# Allegro board 1010260-900-0012_PCB_Rev-a.brd (continued)
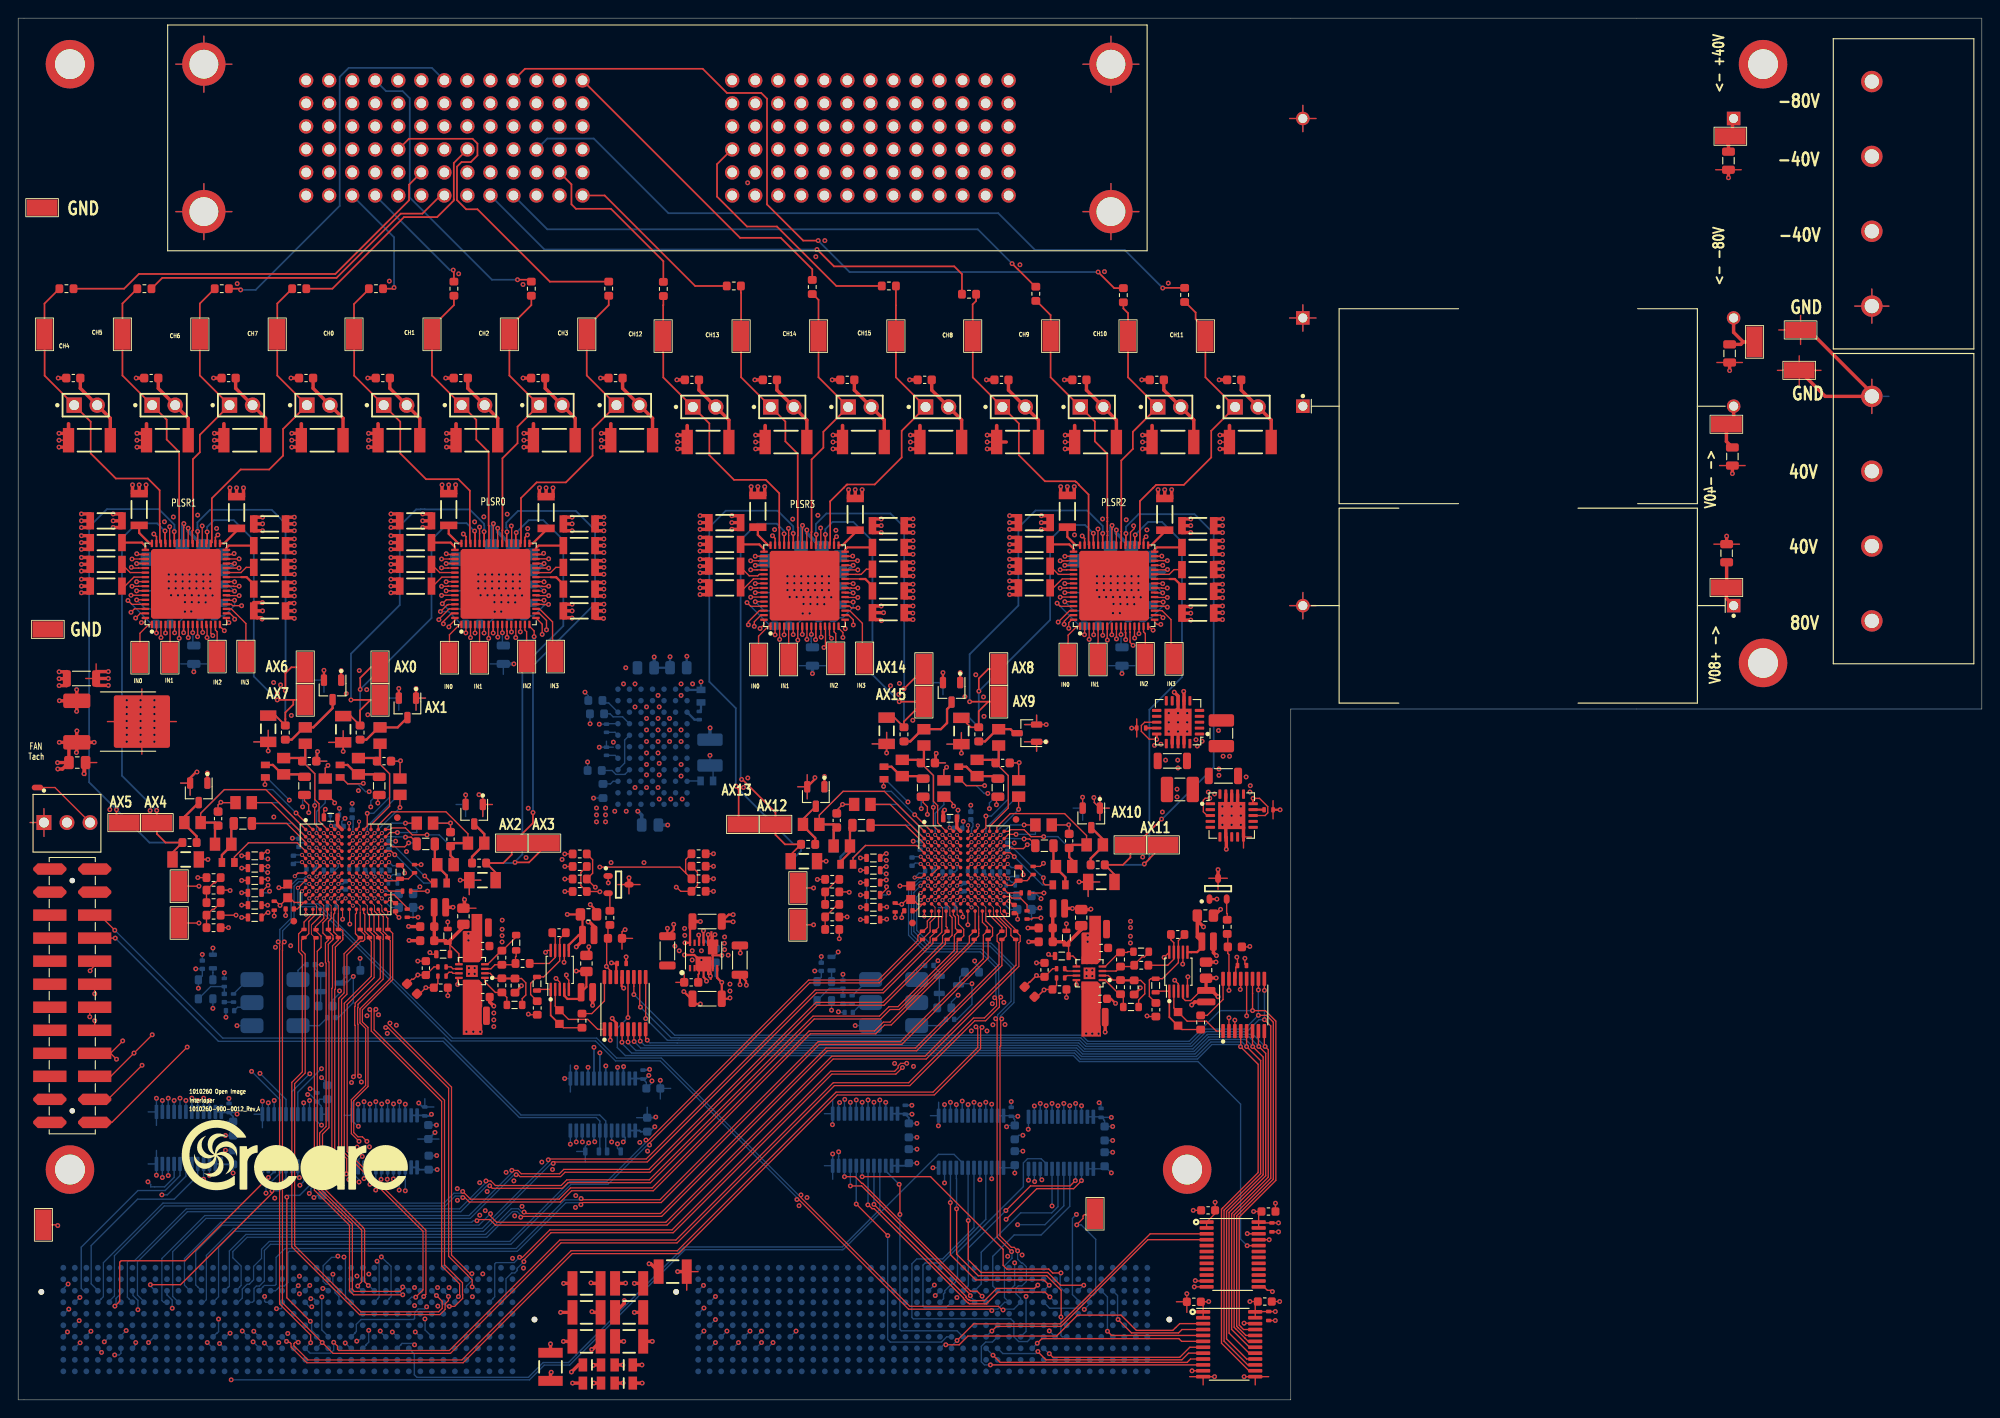
[diagram p0: board, top side]
## Routing (per net, layer and track width the routed paths; a pad name or vN(x,y) marks a point on that pad's centre or on a via; arc(x,y) is an arc through that point) (continued)
AFE0_CSN: length 130.1
  TOP w0.152: R142.2 112.71,58.84 v1(113.06,59.18) ; v1(13.66,36.9) 9.91,33.15 J1.22
  L8 - SIG4 w0.152: v1(113.06,59.18) 114.38,57.86 114.38,44.17 103.91,33.71 56.82,33.71 53.52,37.01 13.77,37.01 v1(13.66,36.9)
AFE0_DATA0N: length 50.1
  TOP w0.14: v1(37.59,28.52) 36.74,29.36 36.74,33.1 38.32,34.68 38.32,40.96 37.69,41.58 37.69,43.13 41.03,46.47 41.03,50.66 40.89,50.8 40.86,50.8 40.77,50.89 R1.2 40.77,51.16 40.26,51.66 40.26,53.31 39.83,53.75 39.83,53.99 U10.M11
  L3 - SIG1 w0.119: v1(37.59,28.52) 37.96,28.15 37.96,27.93 36.86,26.84 36.86,16.89 36.52,16.55 36.02,16.55 35.32,15.85 v1(35.26,15.85)
  BOTTOM w0.14: v1(35.26,15.85) 35.13,15.72 34.57,15.72 33.63,14.78 33.63,13.08 33.96,12.75 34.24,12.75 34.94,12.05 34.94,11.82 35.38,11.38 35.38,10.84 J3.G16
AFE0_DATA0P: length 49.6
  TOP w0.102: 40.61,53.26 40.61,53.39 40.13,53.87 40.13,53.92 40.11,53.95 40.11,54.51 U10.L11
  TOP w0.14: 40.61,53.26 40.77,53.11 R1.1 40.87,51.89 41.3,51.45 41.3,46.35 37.96,43.01 37.96,41.69 38.58,41.07 38.58,34.57 37.01,32.99 37.01,29.47 37.47,29.01 37.96,29.01 v1(38.46,28.52)
  L3 - SIG1 w0.119: v1(38.46,28.52) 38.2,28.26 38.2,27.83 37.11,26.73 37.11,16.79 36.62,16.3 36.47,16.3 v1(35.92,15.76)
  BOTTOM w0.14: J3.G15 36.35,11.15 36.2,11.15 36.09,11.25 36.09,15.59 v1(35.92,15.76)
AFE0_DATA1N: length 47.8
  TOP w0.14: v1(36.97,35.64) 36.97,35.64 37.16,35.83 37.16,41.29 37.11,41.34 37.11,43.37 37.16,43.41 37.16,43.76 39.93,46.54 39.93,50.69 39.75,50.87 R8.2 39.75,51.16 39.24,51.66 39.24,53.41 38.96,53.69 38.96,54.05 U10.M10
  L8 - SIG4 w0.119: v1(39.58,15.29) 39.22,15.65 37.44,15.65 36.86,16.23 36.86,17.52 36.84,17.54 36.84,17.67 36.86,17.68 36.86,24.36 36.71,24.5 36.71,33.73 37.14,34.17 37.14,35.47 v1(36.97,35.64)
  BOTTOM w0.14: v1(39.58,15.29) 39.8,15.07 39.8,11.32 39.66,11.18 39.66,11.15 39.66,11.15 J3.G13
AFE0_DATA1P: length 49.5
  TOP w0.102: 39.29,53.95 39.29,54.52 U10.L10
  TOP w0.14: v1(37.64,35.71) 37.48,35.88 37.48,41.42 37.43,41.47 37.43,43.24 37.48,43.28 37.48,43.63 40.25,46.41 40.25,50.8 40.26,50.81 40.26,51.28 39.78,51.77 39.78,51.86 R8.1 39.75,53.44 39.29,53.9 39.29,53.95
  L8 - SIG4 w0.119: v1(37.64,35.71) 37.46,35.53 37.46,34.03 37.03,33.6 37.03,24.64 37.18,24.49 37.18,17.68 37.19,17.67 37.19,17.54 37.18,17.52 37.18,16.37 37.57,15.97 39.85,15.97 v1(40.05,15.77)
  BOTTOM w0.14: J3.G12 40.93,11.15 40.93,11.15 40.93,11.18 41.12,11.37 41.12,14.73 40.74,15.11 40.71,15.11 v1(40.05,15.77)
AFE0_DATA2N: length 49.5
  TOP w0.14: v1(43.84,11.33) 44.65,12.13 44.65,18.59 35.97,27.27 35.97,43.74 38.94,46.71 38.94,50.58 38.73,50.78 R13.2 38.73,51.16 38.23,51.66 38.23,53.56 38.11,53.68 U10.M9
  BOTTOM w0.14: v1(43.84,11.33) 43.38,11.33 43.06,11 43.06,10.79 43.08,10.77 J3.G10
AFE0_DATA2P: length 49.7
  TOP w0.102: 38.51,53.72 38.51,53.73 38.51,54.51 U10.L9
  TOP w0.14: v1(44.72,11.4) 44.96,11.64 44.96,18.72 36.28,27.4 36.28,43.61 39.25,46.58 39.25,51.19 39.06,51.38 38.73,51.71 R13.1 38.73,53.5 38.51,53.72
  BOTTOM w0.14: v1(44.72,11.4) 44.68,11.36 44.68,11.33 44.34,10.99 44.34,10.79 44.35,10.77 J3.G9
AFE0_DATA3N: length 46.5
  TOP w0.14: U10.M8 37.31,53.68 37.19,53.57 37.19,51.43 37.29,51.33 37.29,51.31 37.62,50.98 R18.2 35.94,49.21 35.94,44.88 35.35,44.29 35.35,27.05 35.92,26.48 35.92,25.3 35.73,25.11 35.73,25.11 35.6,24.98 v1(35.6,24.61)
  L3 - SIG1 w0.119: v1(30.89,12.6) 30.89,12.62 31.24,12.62 31.36,12.74 31.36,13.26 36.08,17.98 36.08,23.79 35.6,24.27 v1(35.6,24.61)
  BOTTOM w0.14: v1(30.89,12.6) 30.38,12.1 30.38,12.04 J3.H20
AFE0_DATA3P: length 47.4
  TOP w0.102: U10.L8 37.72,54.5 37.72,53.75
  TOP w0.14: 37.72,53.75 R18.1 37.72,51.79 38.22,51.3 38.22,50.76 38.04,50.59 37.77,50.59 36.26,49.08 36.26,44.75 35.66,44.16 35.66,27.18 36.23,26.61 36.23,25.17 36.2,25.14 v1(36.2,24.92)
  L3 - SIG1 w0.119: v1(36.2,24.92) 36.15,24.88 36.15,24.17 36.4,23.93 36.4,17.84 31.68,13.13 31.68,12.74 31.8,12.62 v1(32.16,12.62)
  BOTTOM w0.14: J3.H19 31.65,12.04 31.65,12.12 v1(32.16,12.62)
AFE0_DATA4N: length 51.4
  TOP w0.14: v1(34.75,25.49) 34.59,25.64 34.59,45.38 34.66,45.45 34.66,50.07 35.31,50.71 R23.2 35.31,51.1 34.8,51.61 34.8,53.57 34.91,53.68 U10.M5
  L3 - SIG1 w0.119: v1(33.6,12.29) 33.54,12.23 33.34,12.23 32.93,11.82 32.27,11.82 31.38,10.94 30.49,10.94 29.71,11.72 29.71,13.93 30.38,14.6 31.67,14.6 34.78,17.71 34.78,25.1 arc(34.79,25.21) 34.83,25.31 arc(34.83,25.39) 34.79,25.45 34.78,25.46 v1(34.75,25.49)
  BOTTOM w0.119: J3.H17 34.17,12.01 34.17,11.98
  BOTTOM w0.14: J3.H17 34.19,12.04 34.17,12.04 33.92,12.29 v1(33.6,12.29)
AFE0_DATA4P: length 55.3
  TOP w0.102: U10.L5 35.31,54.51 35.31,53.67
  TOP w0.14: 35.31,53.67 R23.1 35.66,51.89 35.8,51.74 35.8,51.21 35.8,50.76 34.98,49.93 34.98,45.32 34.91,45.25 34.91,26.03 35.44,25.5 v1(35.44,25.5)
  L3 - SIG1 w0.119: v1(35.44,25.5) 35.15,25.21 arc(35.11,25.16) 35.1,25.1 35.1,17.58 31.8,14.27 30.52,14.27 30.04,13.79 30.04,11.85 30.63,11.26 31.25,11.26 32.14,12.15 32.8,12.15 34.51,13.86 v1(34.71,13.86)
  BOTTOM w0.14: v1(34.71,13.86) 34.71,12.77 35.06,12.42 35.08,12.42 J3.H16
AFE0_DATA5N: length 45.4
  TOP w0.14: U10.M4 34.11,53.13 33.6,52.63 33.6,51.49 34.11,50.98 R28.2 34.21,50.71 33.88,50.38 33.88,48.24 33.96,48.16 33.96,30.15 33.3,29.49 arc(33.26,29.43) 33.25,29.36 33.25,23.57 arc(33.28,23.38) 33.39,23.22 37.83,18.78 arc(37.87,18.72) 37.89,18.65 37.89,13.09 arc(37.87,13.03) 37.83,12.97 37.45,12.58 v1(37.45,12.56)
  BOTTOM w0.14: v1(37.45,12.56) 37.45,12.51 37.92,12.04 38,12.04 J3.H14
AFE0_DATA5P: length 46.3
  TOP w0.102: 34.52,53.75 34.52,54.5 U10.L4
  TOP w0.14: v1(38.62,12.61) 38.58,12.64 38.58,12.65 38.25,12.98 arc(38.22,13.04) 38.2,13.1 38.2,18.65 arc(38.16,18.84) 38.06,19 33.61,23.45 arc(33.57,23.5) 33.56,23.57 33.56,29.31 34.27,30.02 34.27,48.29 34.2,48.37 34.2,50.25 34.71,50.76 34.71,50.83 34.73,50.85 34.73,50.91 34.72,50.92 34.72,51.2 34.62,51.29 34.21,51.7 R28.1 34.21,52.78 34.52,53.09 34.52,53.75
  BOTTOM w0.14: v1(38.62,12.61) 38.63,12.6 arc(38.68,12.59) 38.73,12.56 39.25,12.04 39.27,12.04 J3.H13
AFE0_DATA6N: length 51.3
  TOP w0.102: 32.46,52.5 32.33,52.37 32.33,51.37 32.74,50.96 R33.2
  TOP w0.14: U10.M3 33.31,53.35 32.46,52.5 ; v1(42.41,11.59) 36.99,11.59 36.54,12.04 36.54,19.25 32.66,23.13 32.66,50.78 R33.2
  BOTTOM w0.14: J3.H11 41.97,12.04 v1(42.41,11.59)
AFE0_DATA6P: length 52.2
  TOP w0.102: 33.71,54.51 33.71,53.67
  TOP w0.14: 32.8,51.86 32.77,51.89 32.77,52.18 33.71,53.11 33.71,53.67 ; 32.8,51.86 R33.1 ; 32.8,51.86 32.8,51.75 33.4,51.16 33.4,49.9 32.98,49.48 32.98,23.26 36.86,19.38 36.86,12.3 36.86,12.17 37.06,11.96 42.11,11.96 42.4,12.25 42.4,12.44 v1(42.4,12.45) ; U10.L3 33.71,54.51
  BOTTOM w0.14: J3.H10 43.08,12.04 43,12.04 42.62,12.42 42.43,12.42 v1(42.4,12.45)
AFE0_DATA7N: length 61.4
  TOP w0.102: 32.89,53.62 32.89,54.52 U10.L2
  TOP w0.14: v1(46.13,11.51) 46.76,10.87 46.76,10.1 46.38,9.71 37.79,9.71 30.49,17.01 30.49,34.88 31.65,36.04 31.65,49.16 31.24,49.57 31.24,50.71 31.38,50.85 31.45,50.85 31.52,50.92 R38.1 31.62,50.98 32.05,51.42 32.05,52.78 32.89,53.62
  BOTTOM w0.14: v1(46.13,11.51) 45.62,12.01 45.62,12.03 J3.H8
AFE0_DATA7P: length 61.3
  TOP w0.14: U10.M2 32.51,53.68 31.52,52.7 R38.2 31.42,51.89 30.93,51.39 30.93,49.44 31.33,49.03 31.33,36.17 30.18,35.01 30.18,16.88 37.65,9.4 46.51,9.4 47.08,9.97 47.08,10.58 47.45,10.95 v1(47.45,11.4)
  BOTTOM w0.14: v1(47.45,11.4) 47.45,11.46 46.89,12.01 46.89,12.03 J3.H7
AFE0_DCON: length 50.9
  TOP w0.119: U10.M6 35.78,54.04 v1(35.78,53.01)
  TOP w0.14: v1(40.99,41.56) 40.99,41.29 47.79,34.5 47.79,15.97 49.84,13.92 50.04,13.92 v1(50.04,13.92)
  L8 - SIG4 w0.119: v1(35.78,53.01) 35.58,53.01 35.56,52.99 35.52,52.99 35.07,52.55 35.07,44.36 37.83,41.6 40.46,41.6 40.47,41.58 40.86,41.58 40.89,41.56 v1(40.99,41.56)
  BOTTOM w0.14: J3.H5 49.43,12.55 50.04,13.16 v1(50.04,13.92)
AFE0_DCOP: length 52.9
  TOP w0.119: U10.L6 35.71,54.96 36.06,55.31 v2(36.11,55.31)
  TOP w0.14: v1(40.53,41.07) 40.77,41.07 47.47,34.37 47.47,15.84 49.57,13.74 49.57,13.72 50.07,13.23 v1(50.07,12.46)
  L8 - SIG4 w0.119: v1(40.53,41.07) 40.32,41.27 37.69,41.27 34.75,44.22 34.75,52.68 36.11,54.04 v2(36.11,55.31)
  BOTTOM w0.14: J3.H4 50.7,12.04 50.68,12.04 50.27,12.45 50.09,12.45 50.07,12.46 v1(50.07,12.46)
AFE0_FCON: length 51.4
  TOP w0.119: v1(36.57,52.48) 36.55,52.5 36.55,54.06 U10.M7
  TOP w0.14: v1(39.45,43.08) 39.25,42.89 39.25,40.81 47.02,33.05 47.02,14.9 49,12.92 49,11.61 49.02,11.59 49.02,11.2 48.13,10.31 v1(47.55,10.31)
  L8 - SIG4 w0.119: v1(36.57,52.48) 36.09,51.99 36.09,46.9 39.26,43.72 39.26,43.26 v1(39.45,43.08)
  BOTTOM w0.14: J3.G7 46.89,10.76 46.89,10.74 47.32,10.31 v1(47.55,10.31)
AFE0_FCOP: length 50.5
  TOP w0.119: U10.L7 v2(36.91,54.51)
  TOP w0.14: v1(38.77,43.06) 38.94,42.89 38.94,40.68 46.7,32.91 46.7,14.77 48.68,12.79 48.68,11.53 v1(48.55,11.39)
  L8 - SIG4 w0.119: v1(38.77,43.06) 38.94,43.22 38.94,43.59 35.76,46.76 35.76,52.32 36.91,53.47 v2(36.91,54.51)
  BOTTOM w0.14: J3.G6 48.16,10.77 48.14,10.79 48.14,10.99 v1(48.55,11.39)
AFE1_CSN: length 60.7
  TOP w0.152: v1(44.43,59.04) R63.2 ; v1(18.64,38.91) 10.34,30.61 J1.24
  L8 - SIG4 w0.152: v1(18.64,38.91) 42.65,38.91 46.18,42.44 46.18,57.29 v1(44.43,59.04)
AFE1_DATA0N: length 117.7
  TOP w0.102: 108.46,53.61 108.32,53.74 108.32,54.31 U23.L11
  TOP w0.14: 108.46,53.61 108.46,53.59 108.71,53.34 108.71,53.14 110,51.85 R80.1 110.5,51.19 110.5,50.56 110.35,50.42 110.35,47.82 100.13,37.59 89.87,37.59 71.55,19.28 52.63,19.28 52.02,19.89 50.72,19.89 v1(50.59,19.76)
  BOTTOM w0.14: v1(50.59,19.76) 50.19,19.76 50.02,19.59 22.36,19.59 18.34,15.58 18.34,12.65 18.57,12.42 18.57,12.42 J3.H29
AFE1_DATA0P: length 116
  TOP w0.14: U23.M11 107.92,53.49 109.47,51.93 109.47,51.21 109.9,50.79 R80.2 110.04,50.75 110.04,47.95 100,37.91 89.73,37.91 71.42,19.59 52.76,19.59 52.09,20.26 v1(52.09,20.53)
  BOTTOM w0.14: J3.H28 19.84,12.42 19.84,12.42 19.58,12.67 19.58,16.38 22.49,19.28 50.82,19.28 52.07,20.53 v1(52.09,20.53)
AFE1_DATA1N: length 109.8
  TOP w0.14: v1(55.79,20.71) 55.9,20.71 56.05,20.55 70.83,20.55 89.09,38.81 98.94,38.81 108.16,48.03 108.16,50.38 107.95,50.59 107.95,51.26 108.38,51.69 R87.2 108.48,52.11 107.12,53.46 U23.M10
  BOTTOM w0.14: v1(55.79,20.71) 55.53,20.71 55.16,21.08 54.38,21.08 51.55,18.25 25.12,18.25 23.29,16.42 23.29,12.52 23.19,12.42 23.15,12.42 J3.H26
AFE1_DATA1P: length 111.3
  TOP w0.102: U23.L10 107.54,54.29 107.54,53.49
  TOP w0.14: v1(55.42,20.15) 55.51,20.24 70.96,20.24 89.22,38.5 99.08,38.5 108.48,47.9 R87.1 108.58,50.79 108.97,51.18 108.97,51.59 108.97,51.79 108.97,52.06 107.54,53.49
  BOTTOM w0.14: J3.H25 24.42,12.42 24.42,12.42 24.42,12.45 24.59,12.62 24.59,14.76 23.67,15.67 23.67,16.36 25.25,17.93 51.68,17.93 54.51,20.77 55.03,20.77 55.42,20.38 v1(55.42,20.15)
AFE1_DATA2N: length 102.6
  TOP w0.14: 106.85,51.69 106.85,52.15 106.32,52.68 U23.M9 ; 106.85,51.69 R92.2 ; 106.85,51.69 106.43,51.26 106.43,48.64 97.31,39.52 88.23,39.52 70.78,22.07 62.21,22.07 v1(62.08,22.2)
  BOTTOM w0.14: J3.H23 26.96,12.42 26.96,12.42 27.16,12.62 28.32,12.62 28.45,12.75 28.45,15.72 29.42,16.7 54.91,16.7 60.27,22.06 61.93,22.06 v1(62.08,22.2)
AFE1_DATA2P: length 103.1
  TOP w0.102: U23.L9 106.71,54.33 106.71,53.59
  TOP w0.14: 106.71,53.59 106.71,52.83 107.45,52.08 107.45,51.49 107.45,51.18 107.05,50.79 R92.1 106.95,48.72 97.44,39.21 88.36,39.21 70.91,21.76 62.28,21.76 62.05,21.53 v1(62.05,21.53)
  BOTTOM w0.14: J3.H22 28.38,12.04 28.59,12.25 28.59,12.25 28.9,12.55 29.34,12.55 29.74,12.95 29.74,16.23 29.9,16.38 55.04,16.38 60.4,21.74 61.84,21.74 v1(62.05,21.53)
AFE1_DATA3N: length 119.2
  TOP w0.14: U23.M8 105.52,51.78 R97.2 104.88,51.14 104.88,50.41 96.14,41.67 95.41,41.67 94.43,40.69 87.22,40.69 69.91,23.38 60.91,23.38 59.66,22.13 49.88,22.13 49.23,22.78 49.23,22.78 49.02,22.99 v1(49.02,22.99)
  BOTTOM w0.14: v1(49.02,22.99) 48.83,22.79 48.05,22.79 46.96,21.7 15.97,21.7 9.4,15.13 9.4,11.38 9.18,11.16 9.18,11.15 9.18,11.15 J3.G37
AFE1_DATA3P: length 119.7
  TOP w0.102: 105.92,53.34 105.92,54.32 U23.L8
  TOP w0.14: v1(49.04,22.31) 49.25,22.31 49.75,21.82 59.79,21.82 61.04,23.06 70.04,23.06 87.35,40.38 94.56,40.38 95.54,41.35 96.27,41.35 105.43,50.51 R97.1 105.53,50.79 105.92,51.18 105.92,51.46 105.92,51.46 105.92,51.91 105.92,51.92 105.92,53.34
  BOTTOM w0.14: J3.G36 10.06,10.9 10.62,11.46 10.62,15.9 16.1,21.39 47.09,21.39 48.18,22.48 48.87,22.48 v1(49.04,22.31)
AFE1_DATA4N: length 115.5
  TOP w0.14: v1(51.59,24.15) 52.12,24.15 52.62,23.65 59.88,23.65 60.5,24.27 69.59,24.27 87.65,42.33 94.98,42.33 96.02,43.37 97.02,43.37 103.23,49.58 103.23,51.11 103.25,51.13 103.25,51.26 103.68,51.69 ; 103.68,51.69 103.35,52.01 103.35,53.25 103.12,53.48 U23.M5 ; 103.68,51.69 R102.2
  BOTTOM w0.14: J3.G34 12.22,11.15 12.22,11.15 12.04,11.33 12.04,15.2 12.18,15.34 12.81,15.34 18.54,21.07 48.68,21.07 51.59,23.98 v1(51.59,24.15)
AFE1_DATA4P: length 115.7
  TOP w0.102: 103.54,53.51 103.54,54.29 U23.L5
  TOP w0.14: 103.54,53.51 103.69,53.36 103.69,52.49 104.27,51.91 104.27,51.18 103.88,50.79 R102.1 103.54,50.55 103.54,49.45 97.15,43.05 96.15,43.05 95.11,42.01 87.78,42.01 69.72,23.95 60.63,23.95 60.01,23.33 52.28,23.33 52,23.61 v1(51.99,23.61)
  BOTTOM w0.14: v1(51.99,23.61) 51.99,23.6 51.66,23.6 48.81,20.75 18.67,20.75 13.16,15.24 13.16,11.56 13.87,10.84 J3.G33
AFE1_DATA5N: length 110
  TOP w0.14: U23.M4 102.32,52.22 102.43,52.11 R107.2 101.93,51.19 101.93,50.42 95.35,43.84 87.97,43.84 69.56,25.43 60.17,25.43 59.69,24.94 55.48,24.94 55.11,25.31 54.45,25.31 v1(54.44,25.31)
  BOTTOM w0.14: v1(54.44,25.31) 54.44,25.04 49.96,20.56 49.95,20.56 49.73,20.33 20.58,20.33 15.85,15.6 15.85,10.96 16.04,10.77 16.41,10.77 J3.G31
AFE1_DATA5P: length 110.4
  TOP w0.102: 102.74,53.44 102.74,54.29 U23.L4
  TOP w0.14: v1(54.92,24.84) 55.14,24.84 55.35,24.62 59.82,24.62 60.3,25.11 69.69,25.11 88.1,43.53 95.48,43.53 102.25,50.29 102.25,50.65 102.39,50.79 R107.1 102.53,50.79 102.98,51.24 102.98,53.2 102.74,53.44
  BOTTOM w0.14: v1(54.92,24.84) 54.9,24.86 54.7,24.86 50.09,20.24 50.08,20.24 49.86,20.02 20.71,20.02 17.04,16.34 17.04,11.4 J3.G30
AFE1_DATA6N: length 103.6
  TOP w0.14: v1(58.46,26.48) 58.48,26.48 58.57,26.57 69.25,26.57 87.9,45.21 95.28,45.21 100.56,50.5 100.56,51.01 101.06,51.51 R112.2 101.49,52.12 101.49,53.23 101.52,53.26 U23.M3
  BOTTOM w0.14: v1(58.46,26.48) 58.46,26.2 51.17,18.91 23.73,18.91 20.75,15.93 20.75,11.05 20.47,10.77 20.22,10.77 J3.G28
AFE1_DATA6P: length 104
  TOP w0.102: 101.94,53.3 101.94,54.29 U23.L3
  TOP w0.14: v1(59,26.08) 59,26.08 59.16,26.24 69.37,26.24 88.03,44.9 95.41,44.9 100.87,50.36 100.87,50.65 101.01,50.79 R112.1 101.85,51.58 101.85,53.21 101.94,53.3
  BOTTOM w0.14: v1(59,26.08) 58.8,26.08 58.68,25.97 58.67,25.97 51.3,18.59 23.86,18.59 22.1,16.83 22.1,11.37 21.88,11.15 21.88,11.15 J3.G27
AFE1_DATA7N: length 97.9
  TOP w0.102: U23.M2 100.72,53.5
  TOP w0.14: v1(69.22,28.65) 69.27,28.61 69.46,28.61 87.16,46.3 94.83,46.3 99.21,50.68 99.21,51.19 R117.2 99.81,51.69 100.25,52.12 100.25,52.8 100.72,53.28 100.72,53.5
  BOTTOM w0.14: v1(69.22,28.65) 69.14,28.57 69.14,28.32 64.91,24.09 60.83,24.09 54.22,17.48 27.7,17.48 26.84,16.62 26.84,15.6 25.96,14.72 25.96,13.23 25.82,13.09 25.82,13.09 25.52,12.79 25.51,12.79 25.48,12.75 25.25,12.75 24.71,12.22 24.71,11.23 24.25,10.77 24.03,10.77 J3.G25
AFE1_DATA7P: length 98.6
  TOP w0.102: U23.L2 101.11,54.33 101.11,53.21
  TOP w0.14: 101.11,53.21 100.56,52.67 100.56,51.79 100.56,51.64 R117.1 99.68,50.77 99.68,50.7 94.96,45.99 87.29,45.99 69.62,28.32 v1(69.62,28.11)
  BOTTOM w0.14: v1(69.62,28.11) 69.42,28.11 69.42,28.11 69.37,28.11 65.04,23.77 60.96,23.77 54.35,17.16 27.83,17.16 27.15,16.48 27.15,13.11 26.6,12.55 26.27,12.55 26.01,12.29 26.01,10.93 25.84,10.77 J3.G24
AFE1_DCON: length 79.3
  TOP w0.119: U23.M6 104.16,53.67 v1(104.16,53.26)
  TOP w0.14: v1(97.98,37.12) 97.32,37.12 97.04,36.84 97.04,36.62 96.66,36.25 89.6,36.25 72.1,18.75 58.62,18.75 55.6,15.73 v1(55.29,15.73)
  L3 - SIG1 w0.119: v1(97.98,37.12) 97.98,37.13 97.83,37.29 97.83,40.47 98.76,41.39 98.76,48.68 103.34,53.26 v1(104.16,53.26)
  BOTTOM w0.14: v1(55.29,15.73) 54.71,15.14 52.69,15.14 52.55,15 52.55,11.37 52.36,11.18 52.36,11.15 52.36,11.15 J3.G3
AFE1_DCOP: length 78.3
  TOP w0.119: U23.L6 v2(104.33,55.11)
  TOP w0.14: v1(55.77,15.25) 55.81,15.29 55.81,15.49 58.75,18.43 72.23,18.43 89.73,35.93 96.79,35.93 v1(97.51,36.65)
  L3 - SIG1 w0.119: v2(104.33,55.11) 104.33,54.71 98.43,48.81 98.43,41.52 97.51,40.6 97.51,36.65 v1(97.51,36.65)
  BOTTOM w0.14: J3.G2 53.63,11.15 53.63,11.15 53.63,11.18 53.8,11.35 53.8,13.36 54.43,14 54.76,14 55.02,14.25 55.02,14.35 55.03,14.36 55.03,14.51 v1(55.77,15.25) 55.77,15.25
AFE1_FCON: length 109.7
  TOP w0.119: U23.M7 104.72,52.4 v1(104.72,52.4)
  TOP w0.14: v1(29.59,6.45) 29.6,6.45 29.6,6.39 29.65,6.34 29.96,6.34 30.1,6.2 30.1,5.83 31.84,4.09 49.06,4.09 61.1,16.13 72.82,16.13 90.32,33.63 101.02,33.63 106.13,38.74 106.13,40.94 v1(106.28,41.09)
  L8 - SIG4 w0.119: v1(106.28,41.09) 106.11,41.26 106.11,43.95 103.52,46.54 103.52,50.89 104.72,52.1 v1(104.72,52.4)
  BOTTOM w0.14: v1(29.59,6.45) 29.11,6.93 29.11,6.95 J3.D21
AFE1_FCOP: length 110
  TOP w0.119: U23.L7 v2(105.13,54.31)
  TOP w0.14: v1(30.89,6.35) 30.55,6.35 30.41,6.21 30.41,5.96 31.97,4.4 48.93,4.4 60.97,16.44 72.69,16.44 90.19,33.94 100.89,33.94 105.81,38.87 105.81,40.95 v1(105.61,41.15)
  L8 - SIG4 w0.119: v2(105.13,54.31) 104.65,53.83 104.65,53.06 104.24,52.65 104.24,52.07 103.2,51.03 103.2,46.41 105.79,43.81 105.79,41.33 v1(105.61,41.15)
  BOTTOM w0.14: v1(30.89,6.35) 30.38,6.85 30.38,6.95 J3.D20
AFE_CLKN: length 157.7
  TOP w0.14: U23.H1 99.52,56.7 v2(99.5,56.7) ; v1(85.88,22.1) 86.09,22.1 98.19,10 107.21,10 v1(107.37,9.85) ; v2(30.85,56.47) 30.87,56.47 U10.H1 ; v1(109.54,16.36) 107.95,17.95 107.95,41.88 v1(107.79,42.04)
  BOTTOM w0.14: v1(85.88,22.1) 85.88,22.32 70.81,37.38 65.87,37.38 63.66,39.59 47.75,39.59 32.94,54.4 31.17,54.4 30.85,54.72 v2(30.85,56.47) ; v1(107.79,42.04) 108,42.26 108,42.46 109.49,43.95 109.49,47.72 107.16,50.05 100.38,50.05 98.77,51.66 98.77,55.97 v2(99.5,56.7) ; v1(107.37,9.85) 107.37,9.85 107.53,10.01 108.03,10.01 108.78,10.77 J2.G13 108.76,11.28 108.76,14.79 109.58,15.61 109.58,15.63 109.59,15.64 109.59,16.31 v1(109.54,16.36)
AFE_CLKP: length 157.6
  TOP w0.14: v1(86.32,22.6) 86.32,22.32 98.32,10.32 108.1,10.32 108.5,9.92 v1(108.61,9.92) ; v2(99.51,55.9) U23.J1 ; v1(108.46,42.02) 108.35,41.91 108.35,39.04 108.26,38.95 108.26,18.08 109.52,16.83 109.82,16.83 v1(110.21,16.44) ; v2(31.29,56.09) U10.J1
  BOTTOM w0.14: v2(31.29,56.09) 31.29,54.9 31.48,54.71 33.07,54.71 47.88,39.9 63.79,39.9 66,37.7 70.94,37.7 86.03,22.6 v1(86.32,22.6) ; v1(110.21,16.44) 110.21,15.52 110.64,15.09 110.76,15.09 111.18,14.67 111.18,13.06 110.69,12.57 110.29,12.57 110.03,12.31 110.03,11.71 110.54,11.2 J2.G12 109.79,10.01 108.7,10.01 v1(108.61,9.92) ; v1(108.46,42.02) 108.46,42.07 108.32,42.22 108.32,42.33 109.8,43.82 109.8,47.85 107.29,50.37 100.51,50.37 99.09,51.79 99.09,55.47 v2(99.51,55.9)
AFE_SCK: length 170.4
  TOP w0.152: J1.20 10.21,35.69 12.77,38.25 v1(12.78,38.25) 14.78,40.26 v1(14.78,40.27) ; v1(112.78,53.16) 111.91,53.16 111.78,53.03 R144.2 ; R65.2 v1(44.09,53.23)
  L8 - SIG4 w0.152: v1(112.78,53.16) 112.78,49.3 113.82,48.26 113.82,44.4 103.68,34.26 57.05,34.26 53.06,38.25 v1(12.78,38.25) ; v1(14.78,40.27) 37.21,40.27 37.58,39.9 42.8,39.9 45.62,42.72 45.62,47.52 44.09,49.05 v1(44.09,53.23)
AFE_SDIO: length 178.6
  TOP w0.152: 10.19,38.23 10.84,37.58 v1(10.85,37.58) ; 10.19,38.23 11.53,39.57 v1(11.53,39.6) ; 10.19,38.23 J1.18 ; v1(113.11,55.91) 111.94,55.91 111.93,55.92 R146.2 ; R66.2 43.29,56.11 v1(45.14,56.11)
  L8 - SIG4 w0.152: v1(45.14,56.11) 45.16,56.11 45.9,55.37 45.9,42.57 42.92,39.6 v1(11.53,39.6) ; v1(113.11,55.91) 114.1,54.91 114.1,44.28 103.8,33.99 56.93,33.99 53.34,37.58 v1(10.85,37.58)
AFE_TRIGN: length 174
  TOP w0.14: v1(32.26,6.3) 32.26,7.15 28.83,10.58 28.83,49.72 28.84,49.73 28.84,50.12 28.83,50.13 28.83,50.37 v1(28.68,50.52) ; v2(32.1,57.71) U10.H2 ; v1(34.8,6.35) 35.22,5.93 35.22,5.59 35.36,5.45 47.55,5.45 59.73,17.63 72.53,17.63 89.88,34.98 98.2,34.98 105.34,42.12 106.55,42.12 107.89,43.46 107.89,44.15 v1(107.68,44.36) ; v2(100.32,57.51) U23.H2
  BOTTOM w0.102: 98.87,57.09 98.97,57.19 99.02,57.19 99.34,57.51 v2(100.32,57.51)
  BOTTOM w0.14: 98.87,57.09 98.19,56.41 98.19,51.25 100.02,49.42 106.09,49.42 107.81,47.7 107.81,44.53 107.68,44.4 v1(107.68,44.36) ; v1(28.68,50.52) 28.7,50.52 28.85,50.68 28.85,51.88 30.11,53.13 30.11,56.78 30.66,57.33 30.68,57.33 30.82,57.47 31.46,57.47 31.7,57.71 v2(32.1,57.71) ; v1(34.8,6.35) 34.8,5.49 34.47,5.16 32.19,5.16 32.04,5.3 32.04,5.3 J3.C19 31.65,5.69 31.65,5.69 v1(32.26,6.3)
AFE_TRIGP: length 170.9
  TOP w0.14: v1(29.35,50.51) 29.14,50.3 29.14,50.26 29.15,50.25 29.15,49.6 29.14,49.59 29.14,10.71 v1(33.53,6.32) 34.72,5.13 47.68,5.13 59.86,17.31 72.66,17.31 90.01,34.66 98.33,34.66 105.47,41.81 106.68,41.81 108.2,43.33 108.2,44.27 108.25,44.32 108.25,44.32 v1(108.35,44.42) ; v2(100.32,56.71) U23.J2 ; v2(32.1,56.91) U10.J2
  BOTTOM w0.102: 99.09,56.87 99.33,57.11 99.36,57.11 99.45,57.2 99.83,57.2 v2(100.32,56.71)
  BOTTOM w0.14: v1(108.35,44.42) 108.28,44.42 108.13,44.57 108.13,47.83 106.22,49.73 100.15,49.73 98.5,51.38 98.5,56.28 99.09,56.87 ; v1(29.35,50.51) 29.35,50.53 29.33,50.55 29.31,50.55 29.17,50.69 29.17,51.75 30.42,53 30.42,56.65 30.79,57.02 30.81,57.02 30.95,57.15 31.46,57.15 31.7,56.91 v2(32.1,56.91) ; J3.C18 32.92,5.69 32.92,5.71 33.45,6.24 33.45,6.25 v1(33.53,6.32)
AX0: length 37.2
  TOP w0.196: v1(50.33,95.83) 50.33,95.81 50.38,95.76 U37.45 ; TP3.1 38.89,80.8 37.72,79.63 v1(37.72,78.36)
  BOTTOM w0.196: v1(50.33,95.83) 50.31,95.83 49.44,96.7 47.4,96.7 45.58,94.88 45.58,86.22 v1(37.72,78.36) 37.71,78.35 R2.1 36.67,75.42 R6.2
AX1: length 43.1
  TOP w0.196: U37.43 v1(51.38,95.76) ; R16.2 36.67,75.42 R11.1 37.71,76.06 38.85,77.2 ; TP5.1 38.85,77.2 ; 38.85,77.2 v1(36.7,77.2)
  BOTTOM w0.196: v1(36.7,77.2) 36.7,82.3 42.08,87.67 42.08,96.4 43.89,98.21 44.37,98.21 44.39,98.24 44.83,98.24 44.85,98.21 49.79,98.21 51.38,96.63 51.38,96.51 51.4,96.48 51.4,96.05 51.38,96.03 v1(51.38,95.76)
AX2: length 58.7
  TOP w0.196: R24.2 52.65,58.17 R20.1 53.49,59.21 54.43,60.14 TP7.1 54.55,61.41 56.77,63.63 v1(56.77,64.78) ; U37.38 53.88,95.71 v1(53.9,95.73)
  BOTTOM w0.196: v1(53.9,95.73) 53.88,95.76 53.88,96.16 53.82,96.21 53.82,96.75 55.12,98.04 61.49,98.04 63.62,95.92 63.62,87.82 56.77,80.98 v1(56.77,64.78)